# Altium PCB Tag201_GangProgrammerRev1.PcbDoc (part 1 of 7) (continued)
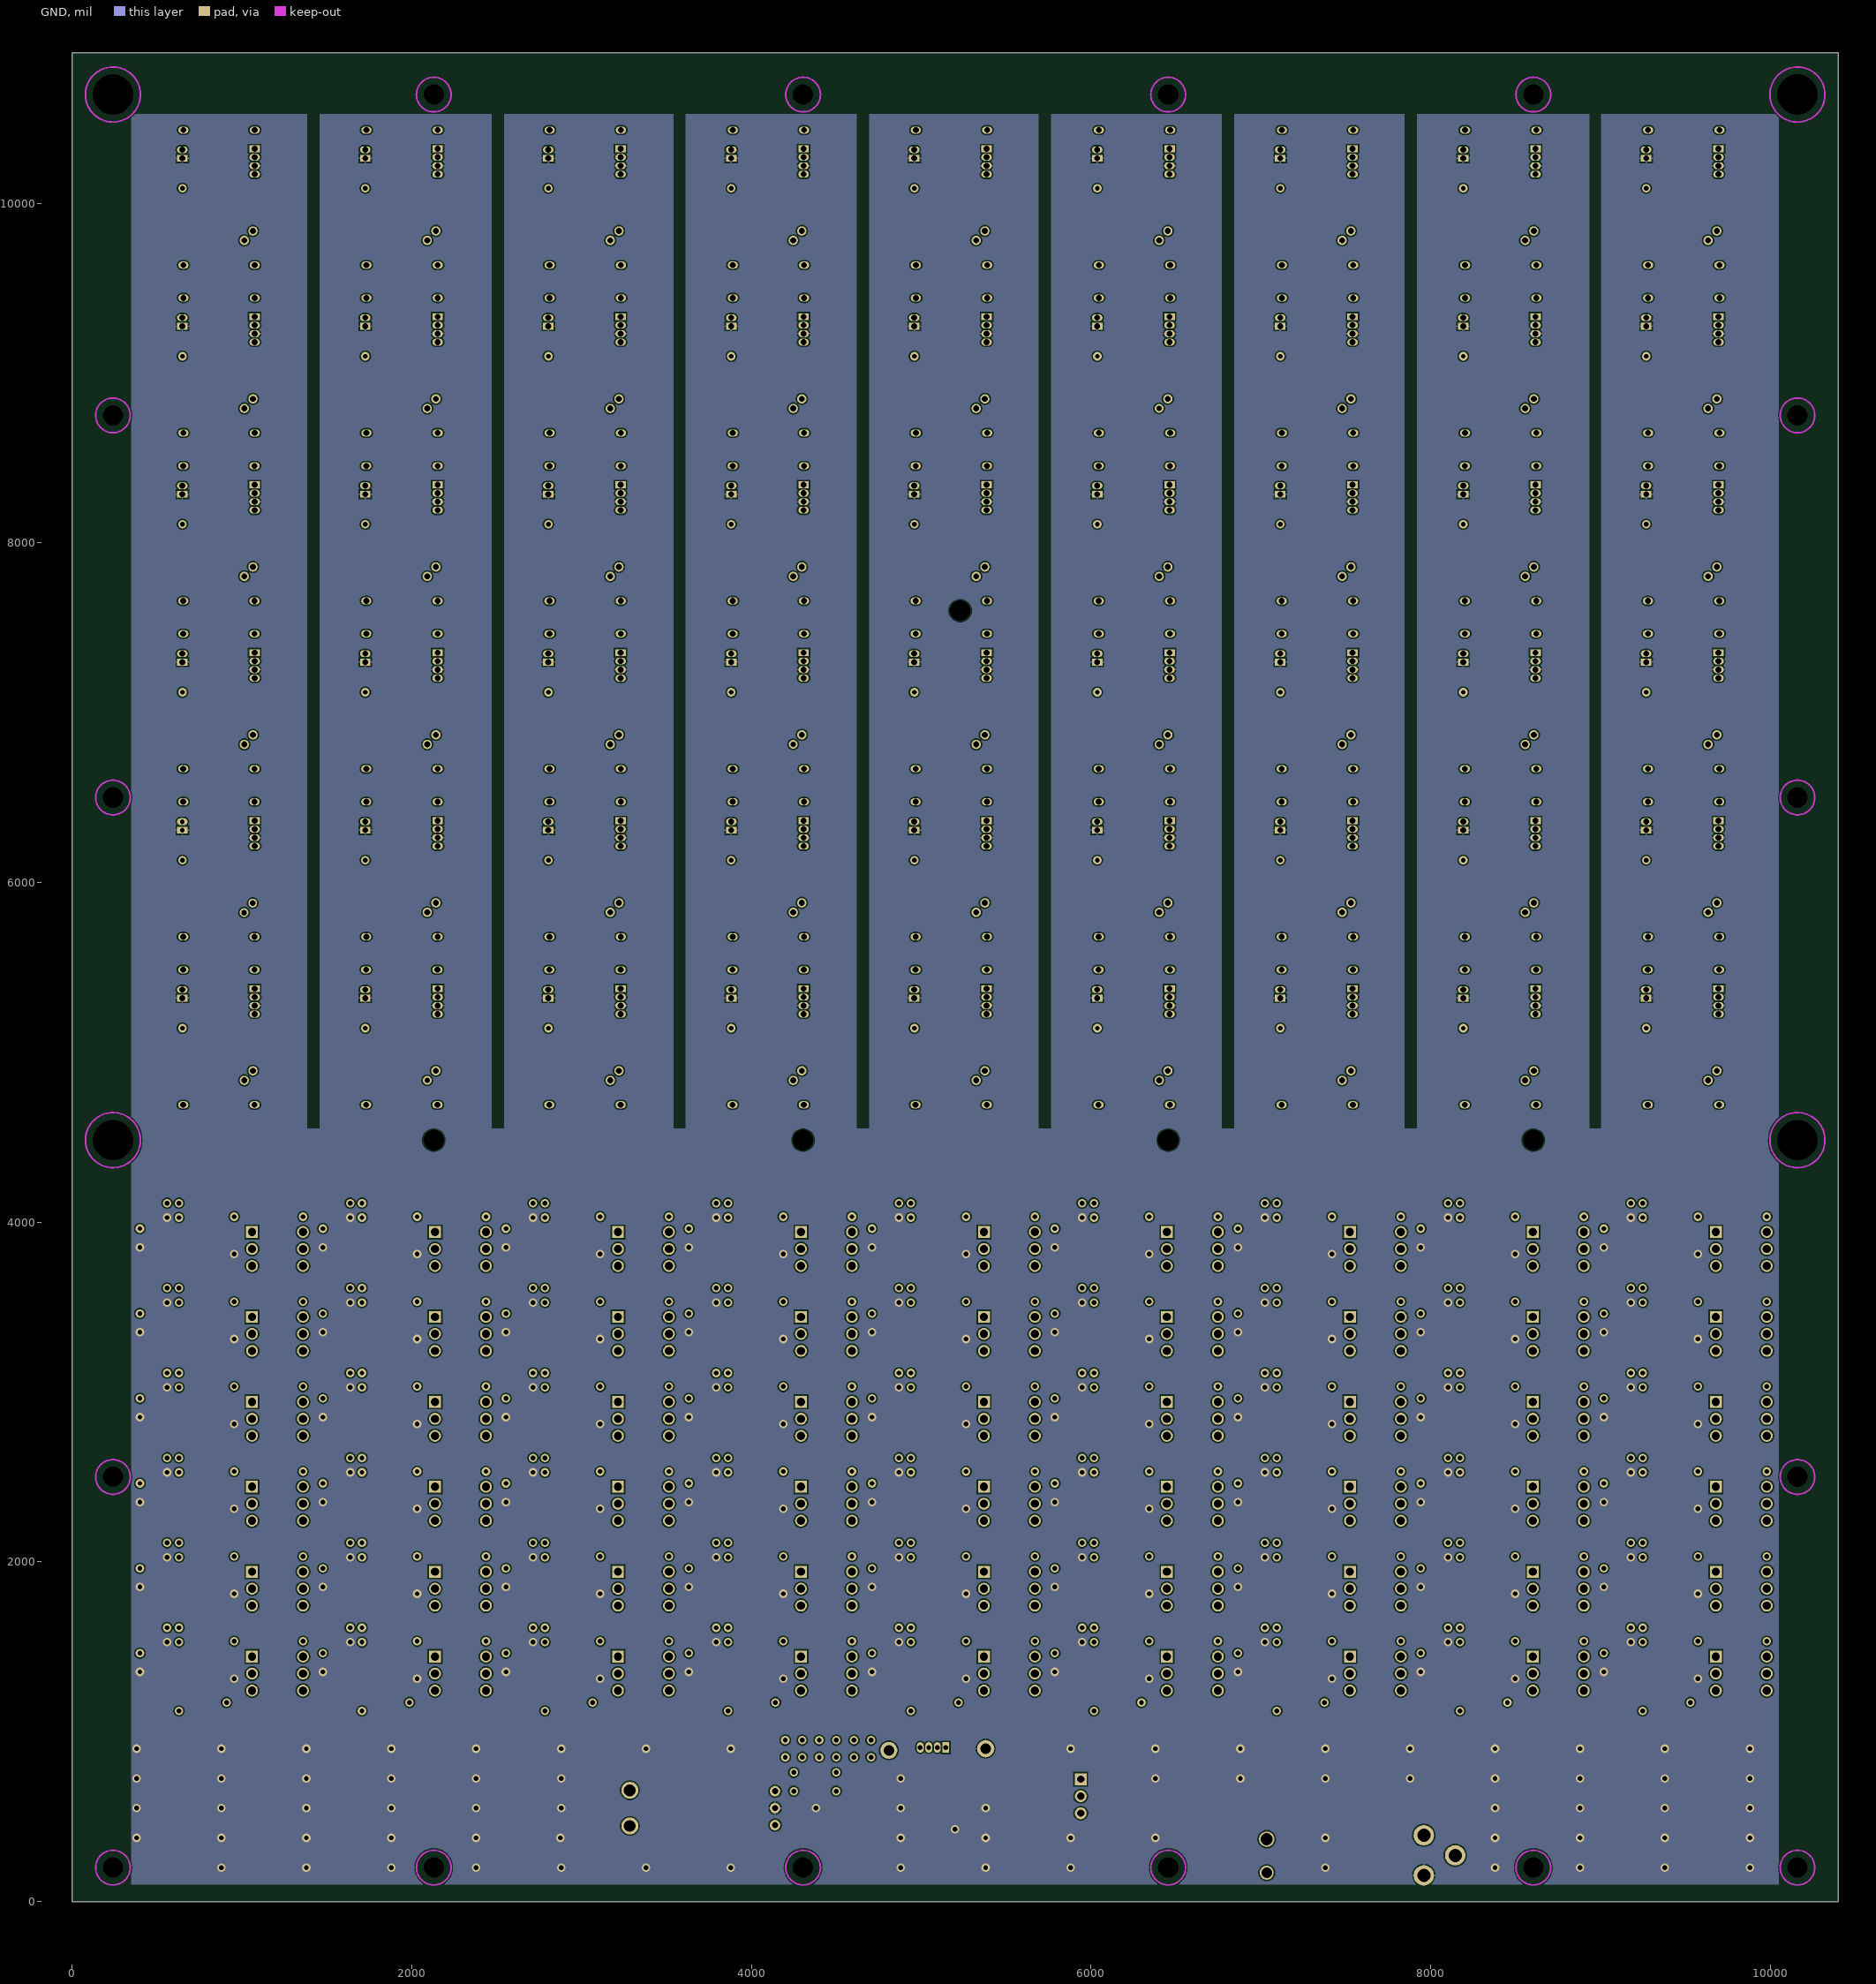
[diagram p3: GND]

## Layer stack, top to bottom
Top Layer: signal copper 1.4
Dielectric: core 10.5, FR-4, Dk 4.8
VCC: signal copper 1.4
Dielectric: prepreg 11.1, FR-4, Dk 4.8
GND: signal copper 1.4
Dielectric: core 40, FR-4, Dk 4.8
Bottom Layer: signal copper 1.4

## Board outline
0,0 10400,0 10400,10885 0,10885

## Design rules (kind name [scope] priority, off if disabled: settings)
Clearance [All] p1: gap=8
FabricationTestpoint [(IsPad And (OnTopLayer Or OnBottomLayer))] p1: side=3 testpointundercomponent=TRUE minsize=40 maxsize=100 preferedsize=60 minholesize=0 maxholesize=40 preferedholesize=32 testpointgrid=1 allowsidetop=TRUE allowsidebottom=TRUE usegrid=TRUE gridtolerance=0.01
HoleSize [All] p1: absolutevalues=TRUE maxlimit=250 minlimit=12 maxpercent=80.000 minpercent=20.000
MinimumSolderMaskSliver [All] p1: minsoldermaskwidth=5
PolygonConnect PolygonConnectVia [All vs IsVia] p1: connectstyle=Direct reliefconductorwidth=10 reliefentries=4 polygonreliefangle="90 Angle"
PolygonConnect [All] p2: connectstyle=Relief reliefconductorwidth=10 reliefentries=4 polygonreliefangle="90 Angle"
RoomDefinition CTL54 [InComponentClass('CTL54')] p1: confinementstyle=ConfineIn formatcopy=TRUE lockcomponents=FALSE outline 8971,1150 10048.5,1150 10048.5,1650 8971,1650
RoomDefinition CTL53 [InComponentClass('CTL53')] p2: confinementstyle=ConfineIn formatcopy=TRUE lockcomponents=FALSE outline 7893.5,1150 8971,1150 8971,1650 7893.5,1650
RoomDefinition CTL52 [InComponentClass('CTL52')] p3: confinementstyle=ConfineIn formatcopy=TRUE lockcomponents=FALSE outline 6816,1150 7893.5,1150 7893.5,1650 6816,1650
RoomDefinition CTL51 [InComponentClass('CTL51')] p4: confinementstyle=ConfineIn formatcopy=TRUE lockcomponents=FALSE outline 5738.5,1150 6816,1150 6816,1650 5738.5,1650
RoomDefinition CTL50 [InComponentClass('CTL50')] p5: confinementstyle=ConfineIn formatcopy=TRUE lockcomponents=FALSE outline 4661,1150 5738.5,1150 5738.5,1650 4661,1650
RoomDefinition CTL49 [InComponentClass('CTL49')] p6: confinementstyle=ConfineIn formatcopy=TRUE lockcomponents=FALSE outline 3583.5,1150 4661,1150 4661,1650 3583.5,1650
RoomDefinition CTL48 [InComponentClass('CTL48')] p7: confinementstyle=ConfineIn formatcopy=TRUE lockcomponents=FALSE outline 2506,1150 3583.5,1150 3583.5,1650 2506,1650
RoomDefinition CTL47 [InComponentClass('CTL47')] p8: confinementstyle=ConfineIn formatcopy=TRUE lockcomponents=FALSE outline 1428.5,1150 2506,1150 2506,1650 1428.5,1650
RoomDefinition CTL46 [InComponentClass('CTL46')] p9: confinementstyle=ConfineIn formatcopy=FALSE lockcomponents=FALSE outline 351,1150 1428.5,1150 1428.5,1650 351,1650
RoomDefinition CTL45 [InComponentClass('CTL45')] p10: confinementstyle=ConfineIn formatcopy=FALSE lockcomponents=FALSE outline 8971,1650 10048.5,1650 10048.5,2150 8971,2150
RoomDefinition CTL44 [InComponentClass('CTL44')] p11: confinementstyle=ConfineIn formatcopy=FALSE lockcomponents=FALSE outline 7893.5,1650 8971,1650 8971,2150 7893.5,2150
RoomDefinition CTL43 [InComponentClass('CTL43')] p12: confinementstyle=ConfineIn formatcopy=FALSE lockcomponents=FALSE outline 6816,1650 7893.5,1650 7893.5,2150 6816,2150
RoomDefinition CTL42 [InComponentClass('CTL42')] p13: confinementstyle=ConfineIn formatcopy=FALSE lockcomponents=FALSE outline 5738.5,1650 6816,1650 6816,2150 5738.5,2150
RoomDefinition CTL41 [InComponentClass('CTL41')] p14: confinementstyle=ConfineIn formatcopy=FALSE lockcomponents=FALSE outline 4661,1650 5738.5,1650 5738.5,2150 4661,2150
RoomDefinition CTL40 [InComponentClass('CTL40')] p15: confinementstyle=ConfineIn formatcopy=FALSE lockcomponents=FALSE outline 3583.5,1650 4661,1650 4661,2150 3583.5,2150
RoomDefinition CTL39 [InComponentClass('CTL39')] p16: confinementstyle=ConfineIn formatcopy=FALSE lockcomponents=FALSE outline 2506,1650 3583.5,1650 3583.5,2150 2506,2150
RoomDefinition CTL38 [InComponentClass('CTL38')] p17: confinementstyle=ConfineIn formatcopy=FALSE lockcomponents=FALSE outline 1428.5,1650 2506,1650 2506,2150 1428.5,2150
RoomDefinition CTL37 [InComponentClass('CTL37')] p18: confinementstyle=ConfineIn formatcopy=FALSE lockcomponents=FALSE outline 351,1650 1428.5,1650 1428.5,2150 351,2150
RoomDefinition CTL36 [InComponentClass('CTL36')] p19: confinementstyle=ConfineIn formatcopy=FALSE lockcomponents=FALSE outline 8971,2150 10048.5,2150 10048.5,2650 8971,2650
RoomDefinition CTL35 [InComponentClass('CTL35')] p20: confinementstyle=ConfineIn formatcopy=FALSE lockcomponents=FALSE outline 7893.5,2150 8971,2150 8971,2650 7893.5,2650
RoomDefinition CTL34 [InComponentClass('CTL34')] p21: confinementstyle=ConfineIn formatcopy=FALSE lockcomponents=FALSE outline 6816,2150 7893.5,2150 7893.5,2650 6816,2650
RoomDefinition CTL33 [InComponentClass('CTL33')] p22: confinementstyle=ConfineIn formatcopy=FALSE lockcomponents=FALSE outline 5738.5,2150 6816,2150 6816,2650 5738.5,2650
RoomDefinition CTL32 [InComponentClass('CTL32')] p23: confinementstyle=ConfineIn formatcopy=FALSE lockcomponents=FALSE outline 4661,2150 5738.5,2150 5738.5,2650 4661,2650
RoomDefinition CTL31 [InComponentClass('CTL31')] p24: confinementstyle=ConfineIn formatcopy=FALSE lockcomponents=FALSE outline 3583.5,2150 4661,2150 4661,2650 3583.5,2650
RoomDefinition CTL30 [InComponentClass('CTL30')] p25: confinementstyle=ConfineIn formatcopy=FALSE lockcomponents=FALSE outline 2506,2150 3583.5,2150 3583.5,2650 2506,2650
RoomDefinition CTL29 [InComponentClass('CTL29')] p26: confinementstyle=ConfineIn formatcopy=FALSE lockcomponents=FALSE outline 1428.5,2150 2506,2150 2506,2650 1428.5,2650
RoomDefinition CTL28 [InComponentClass('CTL28')] p27: confinementstyle=ConfineIn formatcopy=FALSE lockcomponents=FALSE outline 351,2150 1428.5,2150 1428.5,2650 351,2650
RoomDefinition CTL27 [InComponentClass('CTL27')] p28: confinementstyle=ConfineIn formatcopy=FALSE lockcomponents=FALSE outline 8971,2650 10048.5,2650 10048.5,3150 8971,3150
RoomDefinition CTL26 [InComponentClass('CTL26')] p29: confinementstyle=ConfineIn formatcopy=FALSE lockcomponents=FALSE outline 7893.5,2650 8971,2650 8971,3150 7893.5,3150
RoomDefinition CTL25 [InComponentClass('CTL25')] p30: confinementstyle=ConfineIn formatcopy=FALSE lockcomponents=FALSE outline 6816,2650 7893.5,2650 7893.5,3150 6816,3150
RoomDefinition CTL24 [InComponentClass('CTL24')] p31: confinementstyle=ConfineIn formatcopy=FALSE lockcomponents=FALSE outline 5738.5,2650 6816,2650 6816,3150 5738.5,3150
RoomDefinition CTL23 [InComponentClass('CTL23')] p32: confinementstyle=ConfineIn formatcopy=FALSE lockcomponents=FALSE outline 4661,2650 5738.5,2650 5738.5,3150 4661,3150
RoomDefinition CTL22 [InComponentClass('CTL22')] p33: confinementstyle=ConfineIn formatcopy=FALSE lockcomponents=FALSE outline 3583.5,2650 4661,2650 4661,3150 3583.5,3150
RoomDefinition CTL21 [InComponentClass('CTL21')] p34: confinementstyle=ConfineIn formatcopy=FALSE lockcomponents=FALSE outline 2506,2650 3583.5,2650 3583.5,3150 2506,3150
RoomDefinition CTL20 [InComponentClass('CTL20')] p35: confinementstyle=ConfineIn formatcopy=FALSE lockcomponents=FALSE outline 1428.5,2650 2506,2650 2506,3150 1428.5,3150
RoomDefinition CTL19 [InComponentClass('CTL19')] p36: confinementstyle=ConfineIn formatcopy=FALSE lockcomponents=FALSE outline 351,2650 1428.5,2650 1428.5,3150 351,3150
RoomDefinition CTL18 [InComponentClass('CTL18')] p37: confinementstyle=ConfineIn formatcopy=FALSE lockcomponents=FALSE outline 8971,3150 10048.5,3150 10048.5,3650 8971,3650
RoomDefinition CTL17 [InComponentClass('CTL17')] p38: confinementstyle=ConfineIn formatcopy=FALSE lockcomponents=FALSE outline 7893.5,3150 8971,3150 8971,3650 7893.5,3650
RoomDefinition CTL16 [InComponentClass('CTL16')] p39: confinementstyle=ConfineIn formatcopy=FALSE lockcomponents=FALSE outline 6816,3150 7893.5,3150 7893.5,3650 6816,3650
RoomDefinition CTL15 [InComponentClass('CTL15')] p40: confinementstyle=ConfineIn formatcopy=FALSE lockcomponents=FALSE outline 5738.5,3150 6816,3150 6816,3650 5738.5,3650
RoomDefinition CTL14 [InComponentClass('CTL14')] p41: confinementstyle=ConfineIn formatcopy=FALSE lockcomponents=FALSE outline 4661,3150 5738.5,3150 5738.5,3650 4661,3650
RoomDefinition CTL13 [InComponentClass('CTL13')] p42: confinementstyle=ConfineIn formatcopy=FALSE lockcomponents=FALSE outline 3583.5,3150 4661,3150 4661,3650 3583.5,3650
RoomDefinition CTL12 [InComponentClass('CTL12')] p43: confinementstyle=ConfineIn formatcopy=FALSE lockcomponents=FALSE outline 2506,3150 3583.5,3150 3583.5,3650 2506,3650
RoomDefinition CTL11 [InComponentClass('CTL11')] p44: confinementstyle=ConfineIn formatcopy=FALSE lockcomponents=FALSE outline 1428.5,3150 2506,3150 2506,3650 1428.5,3650
RoomDefinition CTL10 [InComponentClass('CTL10')] p45: confinementstyle=ConfineIn formatcopy=FALSE lockcomponents=FALSE outline 351,3150 1428.5,3150 1428.5,3650 351,3650
RoomDefinition CTL9 [InComponentClass('CTL9')] p46: confinementstyle=ConfineIn formatcopy=FALSE lockcomponents=FALSE outline 8971,3650 10048.5,3650 10048.5,4150 8971,4150
RoomDefinition CTL8 [InComponentClass('CTL8')] p47: confinementstyle=ConfineIn formatcopy=FALSE lockcomponents=FALSE outline 7893.5,3650 8971,3650 8971,4150 7893.5,4150
RoomDefinition CTL7 [InComponentClass('CTL7')] p48: confinementstyle=ConfineIn formatcopy=FALSE lockcomponents=FALSE outline 6816,3650 7893.5,3650 7893.5,4150 6816,4150
RoomDefinition CTL6 [InComponentClass('CTL6')] p49: confinementstyle=ConfineIn formatcopy=FALSE lockcomponents=FALSE outline 5738.5,3650 6816,3650 6816,4150 5738.5,4150
RoomDefinition CTL5 [InComponentClass('CTL5')] p50: confinementstyle=ConfineIn formatcopy=FALSE lockcomponents=FALSE outline 4661,3650 5738.5,3650 5738.5,4150 4661,4150
RoomDefinition CTL4 [InComponentClass('CTL4')] p51: confinementstyle=ConfineIn formatcopy=FALSE lockcomponents=FALSE outline 3583.5,3650 4661,3650 4661,4150 3583.5,4150
RoomDefinition CTL3 [InComponentClass('CTL3')] p52: confinementstyle=ConfineIn formatcopy=FALSE lockcomponents=FALSE outline 2506,3650 3583.5,3650 3583.5,4150 2506,4150
RoomDefinition CTL2 [InComponentClass('CTL2')] p53: confinementstyle=ConfineIn formatcopy=FALSE lockcomponents=FALSE outline 1428.5,3650 2506,3650 2506,4150 1428.5,4150
RoomDefinition CTL1 [InComponentClass('CTL1')] p54: confinementstyle=ConfineIn formatcopy=FALSE lockcomponents=FALSE outline 351,3650 1428.5,3650 1428.5,4150 351,4150
RoomDefinition UUT54 [InComponentClass('UUT54')] p55: confinementstyle=ConfineIn formatcopy=TRUE lockcomponents=FALSE outline 8971,4594 10048.5,4594 10048.5,5583 8971,5583
RoomDefinition UUT53 [InComponentClass('UUT53')] p56: confinementstyle=ConfineIn formatcopy=TRUE lockcomponents=FALSE outline 7893.5,4594 8971,4594 8971,5583 7893.5,5583
RoomDefinition UUT52 [InComponentClass('UUT52')] p57: confinementstyle=ConfineIn formatcopy=TRUE lockcomponents=FALSE outline 6816,4594 7893.5,4594 7893.5,5583 6816,5583
RoomDefinition UUT51 [InComponentClass('UUT51')] p58: confinementstyle=ConfineIn formatcopy=TRUE lockcomponents=FALSE outline 5738.5,4594 6816,4594 6816,5583 5738.5,5583
RoomDefinition UUT50 [InComponentClass('UUT50')] p59: confinementstyle=ConfineIn formatcopy=TRUE lockcomponents=FALSE outline 4661,4594 5738.5,4594 5738.5,5583 4661,5583
RoomDefinition UUT49 [InComponentClass('UUT49')] p60: confinementstyle=ConfineIn formatcopy=TRUE lockcomponents=FALSE outline 3583.5,4594 4661,4594 4661,5583 3583.5,5583
RoomDefinition UUT48 [InComponentClass('UUT48')] p61: confinementstyle=ConfineIn formatcopy=TRUE lockcomponents=FALSE outline 2506,4594 3583.5,4594 3583.5,5583 2506,5583
RoomDefinition UUT47 [InComponentClass('UUT47')] p62: confinementstyle=ConfineIn formatcopy=TRUE lockcomponents=FALSE outline 1428.5,4594 2506,4594 2506,5583 1428.5,5583
RoomDefinition UUT46 [InComponentClass('UUT46')] p63: confinementstyle=ConfineIn formatcopy=FALSE lockcomponents=FALSE outline 351,4594 1428.5,4594 1428.5,5583 351,5583
RoomDefinition UUT45 [InComponentClass('UUT45')] p64: confinementstyle=ConfineIn formatcopy=FALSE lockcomponents=FALSE outline 8971,5583 10048.5,5583 10048.5,6572 8971,6572
RoomDefinition UUT44 [InComponentClass('UUT44')] p65: confinementstyle=ConfineIn formatcopy=FALSE lockcomponents=FALSE outline 7893.5,5583 8971,5583 8971,6572 7893.5,6572
RoomDefinition UUT43 [InComponentClass('UUT43')] p66: confinementstyle=ConfineIn formatcopy=FALSE lockcomponents=FALSE outline 6816,5583 7893.5,5583 7893.5,6572 6816,6572
RoomDefinition UUT42 [InComponentClass('UUT42')] p67: confinementstyle=ConfineIn formatcopy=FALSE lockcomponents=FALSE outline 5738.5,5583 6816,5583 6816,6572 5738.5,6572
RoomDefinition UUT41 [InComponentClass('UUT41')] p68: confinementstyle=ConfineIn formatcopy=FALSE lockcomponents=FALSE outline 4661,5583 5738.5,5583 5738.5,6572 4661,6572
RoomDefinition UUT40 [InComponentClass('UUT40')] p69: confinementstyle=ConfineIn formatcopy=FALSE lockcomponents=FALSE outline 3583.5,5583 4661,5583 4661,6572 3583.5,6572
RoomDefinition UUT39 [InComponentClass('UUT39')] p70: confinementstyle=ConfineIn formatcopy=FALSE lockcomponents=FALSE outline 2506,5583 3583.5,5583 3583.5,6572 2506,6572
RoomDefinition UUT38 [InComponentClass('UUT38')] p71: confinementstyle=ConfineIn formatcopy=FALSE lockcomponents=FALSE outline 1428.5,5583 2506,5583 2506,6572 1428.5,6572
RoomDefinition UUT37 [InComponentClass('UUT37')] p72: confinementstyle=ConfineIn formatcopy=FALSE lockcomponents=FALSE outline 351,5583 1428.5,5583 1428.5,6572 351,6572
RoomDefinition UUT36 [InComponentClass('UUT36')] p73: confinementstyle=ConfineIn formatcopy=FALSE lockcomponents=FALSE outline 8971,6572 10048.5,6572 10048.5,7561 8971,7561
RoomDefinition UUT35 [InComponentClass('UUT35')] p74: confinementstyle=ConfineIn formatcopy=FALSE lockcomponents=FALSE outline 7893.5,6572 8971,6572 8971,7561 7893.5,7561
RoomDefinition UUT34 [InComponentClass('UUT34')] p75: confinementstyle=ConfineIn formatcopy=FALSE lockcomponents=FALSE outline 6816,6572 7893.5,6572 7893.5,7561 6816,7561
RoomDefinition UUT33 [InComponentClass('UUT33')] p76: confinementstyle=ConfineIn formatcopy=FALSE lockcomponents=FALSE outline 5738.5,6572 6816,6572 6816,7561 5738.5,7561
RoomDefinition UUT32 [InComponentClass('UUT32')] p77: confinementstyle=ConfineIn formatcopy=FALSE lockcomponents=FALSE outline 4661,6572 5738.5,6572 5738.5,7561 4661,7561
RoomDefinition UUT31 [InComponentClass('UUT31')] p78: confinementstyle=ConfineIn formatcopy=FALSE lockcomponents=FALSE outline 3583.5,6572 4661,6572 4661,7561 3583.5,7561
RoomDefinition UUT30 [InComponentClass('UUT30')] p79: confinementstyle=ConfineIn formatcopy=FALSE lockcomponents=FALSE outline 2506,6572 3583.5,6572 3583.5,7561 2506,7561
RoomDefinition UUT29 [InComponentClass('UUT29')] p80: confinementstyle=ConfineIn formatcopy=FALSE lockcomponents=FALSE outline 1428.5,6572 2506,6572 2506,7561 1428.5,7561
RoomDefinition UUT28 [InComponentClass('UUT28')] p81: confinementstyle=ConfineIn formatcopy=FALSE lockcomponents=FALSE outline 351,6572 1428.5,6572 1428.5,7561 351,7561
RoomDefinition UUT27 [InComponentClass('UUT27')] p82: confinementstyle=ConfineIn formatcopy=FALSE lockcomponents=FALSE outline 8971,7561 10048.5,7561 10048.5,8550 8971,8550
RoomDefinition UUT26 [InComponentClass('UUT26')] p83: confinementstyle=ConfineIn formatcopy=FALSE lockcomponents=FALSE outline 7893.5,7561 8971,7561 8971,8550 7893.5,8550
RoomDefinition UUT25 [InComponentClass('UUT25')] p84: confinementstyle=ConfineIn formatcopy=FALSE lockcomponents=FALSE outline 6816,7561 7893.5,7561 7893.5,8550 6816,8550
RoomDefinition UUT24 [InComponentClass('UUT24')] p85: confinementstyle=ConfineIn formatcopy=FALSE lockcomponents=FALSE outline 5738.5,7561 6816,7561 6816,8550 5738.5,8550
RoomDefinition UUT23 [InComponentClass('UUT23')] p86: confinementstyle=ConfineIn formatcopy=FALSE lockcomponents=FALSE outline 4661,7561 5738.5,7561 5738.5,8550 4661,8550
RoomDefinition UUT22 [InComponentClass('UUT22')] p87: confinementstyle=ConfineIn formatcopy=FALSE lockcomponents=FALSE outline 3583.5,7561 4661,7561 4661,8550 3583.5,8550
RoomDefinition UUT21 [InComponentClass('UUT21')] p88: confinementstyle=ConfineIn formatcopy=FALSE lockcomponents=FALSE outline 2506,7561 3583.5,7561 3583.5,8550 2506,8550
RoomDefinition UUT20 [InComponentClass('UUT20')] p89: confinementstyle=ConfineIn formatcopy=FALSE lockcomponents=FALSE outline 1428.5,7561 2506,7561 2506,8550 1428.5,8550
RoomDefinition UUT19 [InComponentClass('UUT19')] p90: confinementstyle=ConfineIn formatcopy=FALSE lockcomponents=FALSE outline 351,7561 1428.5,7561 1428.5,8550 351,8550
RoomDefinition UUT18 [InComponentClass('UUT18')] p91: confinementstyle=ConfineIn formatcopy=FALSE lockcomponents=FALSE outline 8971,8550 10048.5,8550 10048.5,9539 8971,9539
RoomDefinition UUT17 [InComponentClass('UUT17')] p92: confinementstyle=ConfineIn formatcopy=FALSE lockcomponents=FALSE outline 7893.5,8550 8971,8550 8971,9539 7893.5,9539
RoomDefinition UUT16 [InComponentClass('UUT16')] p93: confinementstyle=ConfineIn formatcopy=FALSE lockcomponents=FALSE outline 6816,8550 7893.5,8550 7893.5,9539 6816,9539
RoomDefinition UUT15 [InComponentClass('UUT15')] p94: confinementstyle=ConfineIn formatcopy=FALSE lockcomponents=FALSE outline 5738.5,8550 6816,8550 6816,9539 5738.5,9539
RoomDefinition UUT14 [InComponentClass('UUT14')] p95: confinementstyle=ConfineIn formatcopy=FALSE lockcomponents=FALSE outline 4661,8550 5738.5,8550 5738.5,9539 4661,9539
RoomDefinition UUT13 [InComponentClass('UUT13')] p96: confinementstyle=ConfineIn formatcopy=FALSE lockcomponents=FALSE outline 3583.5,8550 4661,8550 4661,9539 3583.5,9539
RoomDefinition UUT12 [InComponentClass('UUT12')] p97: confinementstyle=ConfineIn formatcopy=FALSE lockcomponents=FALSE outline 2506,8550 3583.5,8550 3583.5,9539 2506,9539
RoomDefinition UUT11 [InComponentClass('UUT11')] p98: confinementstyle=ConfineIn formatcopy=FALSE lockcomponents=FALSE outline 1428.5,8550 2506,8550 2506,9539 1428.5,9539
RoomDefinition UUT10 [InComponentClass('UUT10')] p99: confinementstyle=ConfineIn formatcopy=FALSE lockcomponents=FALSE outline 351,8550 1428.5,8550 1428.5,9539 351,9539
RoomDefinition UUT9 [InComponentClass('UUT9')] p100: confinementstyle=ConfineIn formatcopy=FALSE lockcomponents=FALSE outline 8971,9539 10048.5,9539 10048.5,10528 8971,10528
RoomDefinition UUT8 [InComponentClass('UUT8')] p101: confinementstyle=ConfineIn formatcopy=FALSE lockcomponents=FALSE outline 7893.5,9539 8971,9539 8971,10528 7893.5,10528
RoomDefinition UUT7 [InComponentClass('UUT7')] p102: confinementstyle=ConfineIn formatcopy=FALSE lockcomponents=FALSE outline 6816,9539 7893.5,9539 7893.5,10528 6816,10528
RoomDefinition UUT6 [InComponentClass('UUT6')] p103: confinementstyle=ConfineIn formatcopy=FALSE lockcomponents=FALSE outline 5738.5,9539 6816,9539 6816,10528 5738.5,10528
RoomDefinition UUT5 [InComponentClass('UUT5')] p104: confinementstyle=ConfineIn formatcopy=FALSE lockcomponents=FALSE outline 4661,9539 5738.5,9539 5738.5,10528 4661,10528
RoomDefinition UUT4 [InComponentClass('UUT4')] p105: confinementstyle=ConfineIn formatcopy=FALSE lockcomponents=FALSE outline 3583.5,9539 4661,9539 4661,10528 3583.5,10528
RoomDefinition UUT3 [InComponentClass('UUT3')] p106: confinementstyle=ConfineIn formatcopy=FALSE lockcomponents=FALSE outline 2506,9539 3583.5,9539 3583.5,10528 2506,10528
RoomDefinition UUT2 [InComponentClass('UUT2')] p107: confinementstyle=ConfineIn formatcopy=FALSE lockcomponents=FALSE outline 1428.5,9539 2506,9539 2506,10528 1428.5,10528
RoomDefinition UUT1 [InComponentClass('UUT1')] p108: confinementstyle=ConfineIn formatcopy=FALSE lockcomponents=FALSE outline 351.02,9539 1428.48,9539 1428.5,9539.02 1428.5,10528 351,10528
RoutingVias [All] p1: holewidth=12 width=20 viastyle="Through Hole" minholewidth=12 minwidth=26 maxholewidth=28 maxwidth=50
SilkToSilkClearance [All] p1 off: silktosilkclearance=2
SilkscreenOverComponentPads [All] p1: minsilkscreentomaskgap=2
SolderMaskExpansion [All] p1: expansion=4
Width [All] p1: maxlimit=50 minlimit=8 preferedwidth=10
23 further rules are at their usual default settings.
